# Altium PCB Main - Backup.PcbDoc (part 3 of 4) (continued)
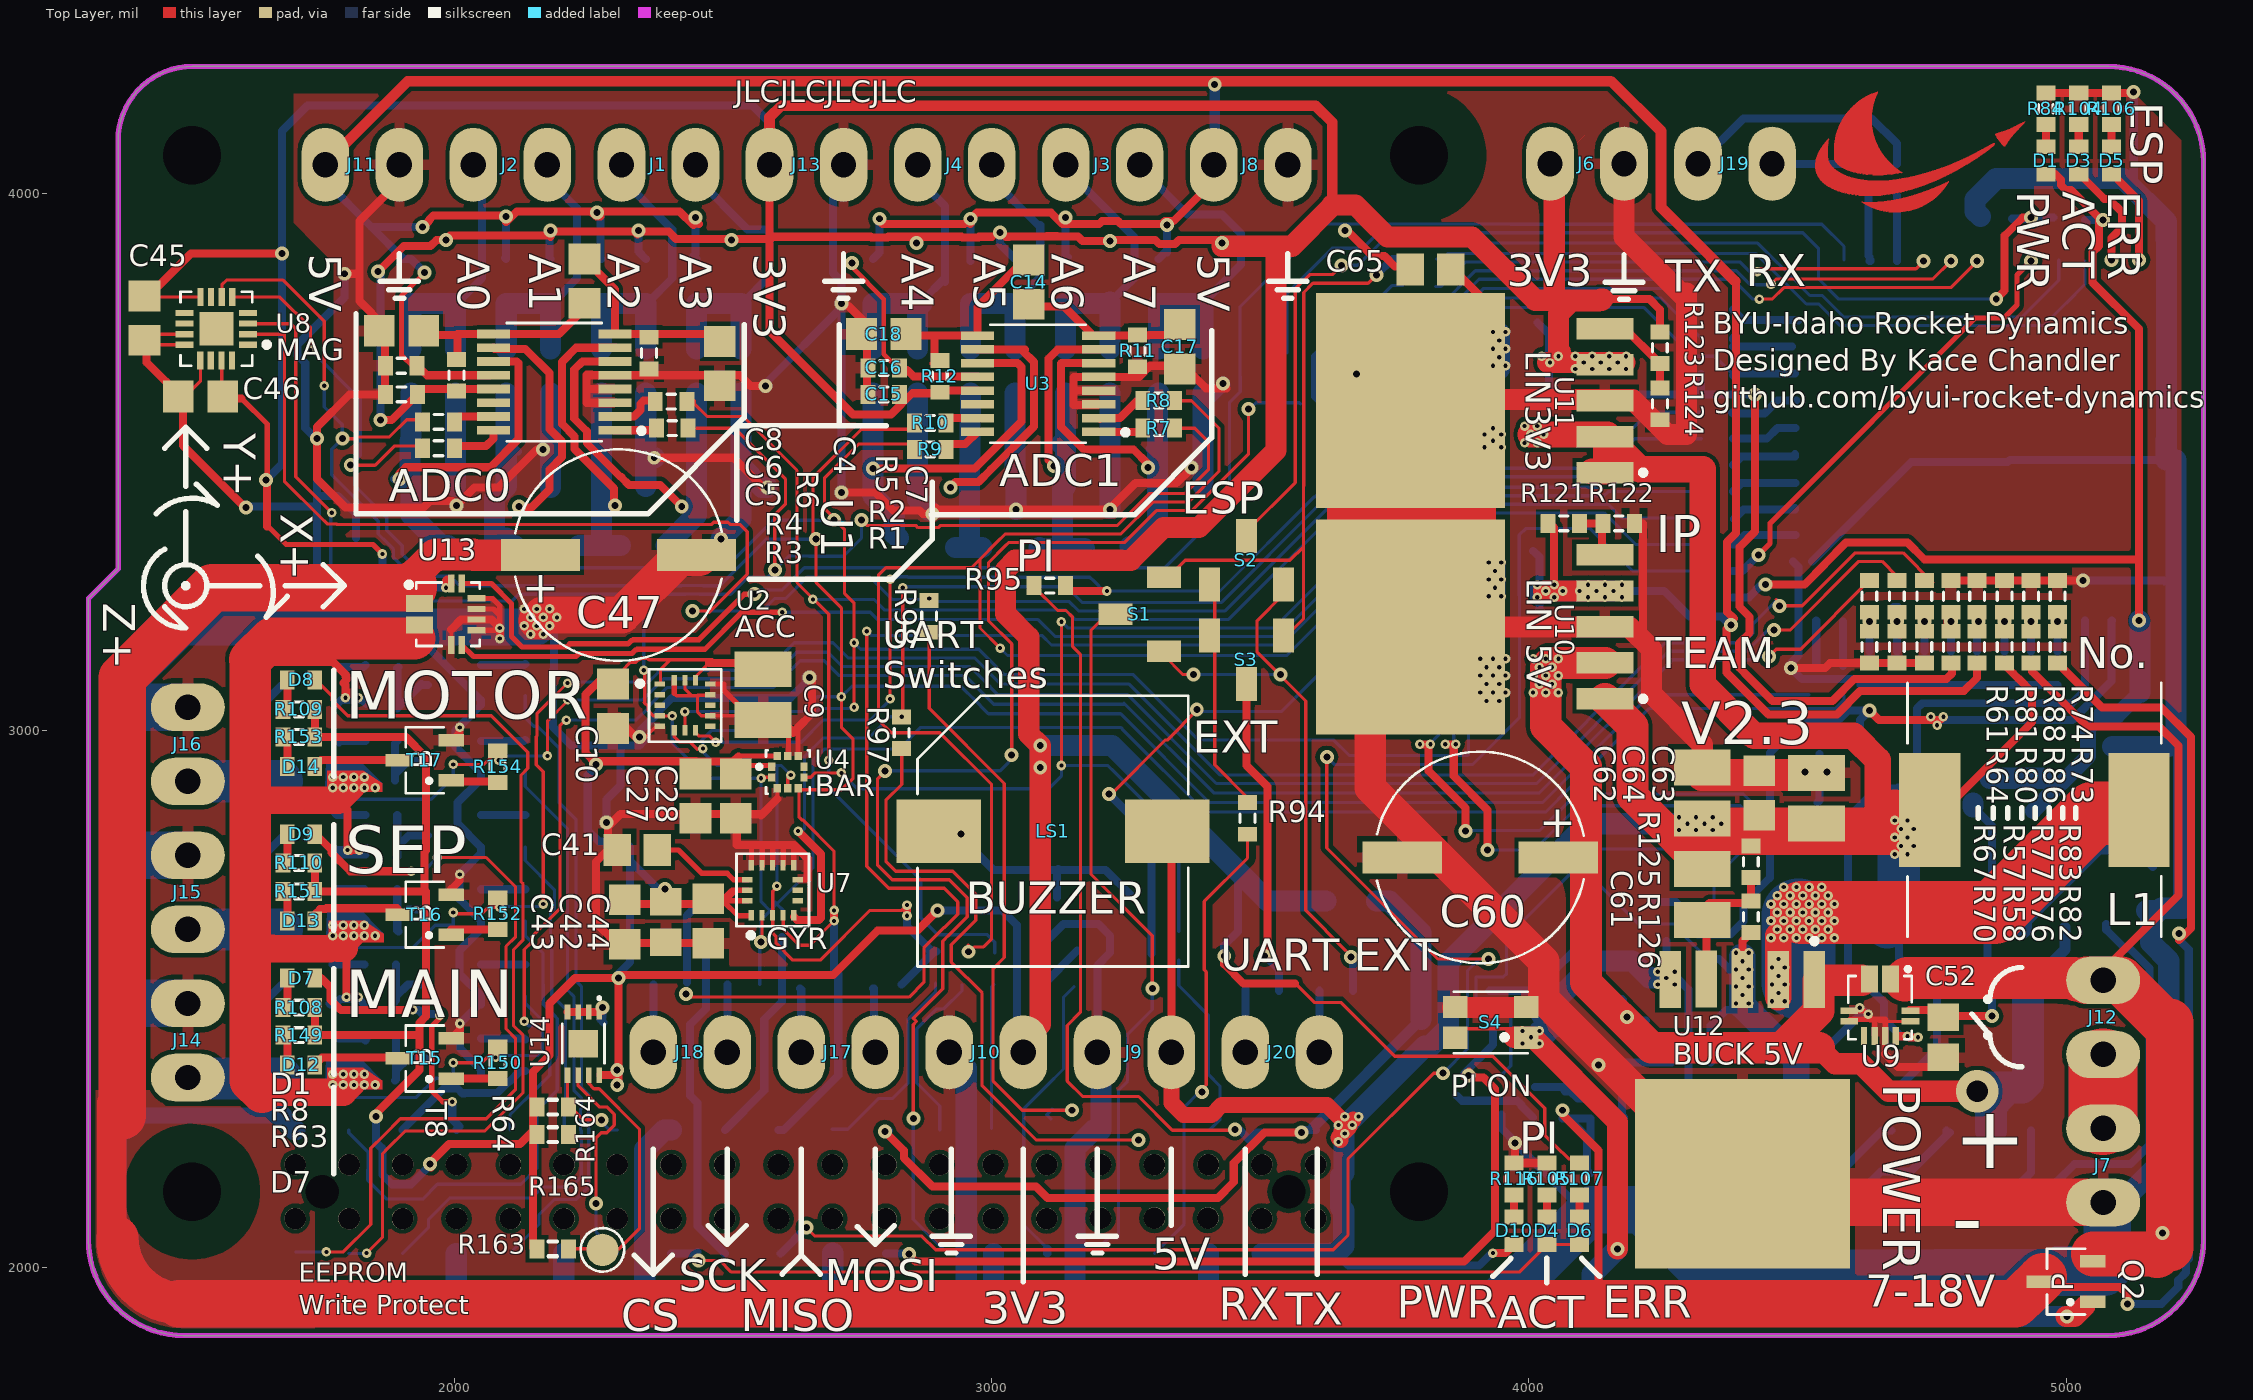
[diagram p0: Top Layer view]
## Nets (pads, with @x,y where several pads share a name; then routed paths per layer and width w, separated by ;. In a path a pad name is that pad's centre, name@x,y a point inside that pad or via, vN(x,y) a via of type N, cw(c..) or ccw(c..) an arc to the next point about the centre after c; other vN are vias at no path point) (continued)
  Top Layer w15: D9.2@1740.16,2809.06 1770.92,2778.3 1770.92,2773.38 1806.1,2738.19 v1(1919.29,2738.19)
  Bottom Layer w6: J5.40@1704.72,2029.53 v1(1761.81,2029.53) ; v1(1919.29,2738.19) 1942.91,2738.19 v1(1968.5,2763.78)
NetD10_2: D10.2 R116.2 | length 46.1
  Top Layer w15: D10.2@3970.47,2088.58 3972.44,2090.55 R116.2@3972.44,2133.86
NetD11_2: D11.2 L1.1 U12.2 | length 987.1
  Top Layer w49.21: U12.2@4464.57,2503.94 v1(4464.57,2511.81) 4464.57,2527.56 v1(4464.57,2543.31) v1(4464.57,2574.8) 4464.57,2614.17 4464.57,2618.11 v1@4507.87,2661.42
  Top Layer w118.11: v1@4507.87,2661.42 4866.14,2661.42 5051.18,2846.46 5102.69,2846.46 L1.1@5114.17,2857.94
  Bottom Layer w137.8: D11.2@4501.97,2531.5 4501.97,2590.55 4501.97,2645.67 4501.97,2655.51
  other v1: 4452.76,2496.06 4476.38,2496.06 4452.76,2527.56 4476.38,2527.56 4452.76,2559.06 4476.38,2559.06 4450.79,2614.17 4474.41,2614.17 4498.03,2614.17 4521.65,2614.17 4545.28,2614.17 4568.9,2614.17 4462.6,2629.92 4486.22,2629.92 4509.84,2629.92 4533.46,2629.92 4557.09,2629.92 4450.79,2645.67 4474.41,2645.67 4498.03,2645.67 4521.65,2645.67 4545.28,2645.67 4568.9,2645.67 4462.6,2661.42 4486.22,2661.42 4509.84,2661.42 4533.46,2661.42 4557.09,2661.42 4450.79,2677.17 4474.41,2677.17 4498.03,2677.17 4521.65,2677.17 4545.28,2677.17 4568.9,2677.17 4462.6,2692.91 4486.22,2692.91 4509.84,2692.91 4533.46,2692.91 4557.09,2692.91 4474.41,2708.66 4498.03,2708.66 4521.65,2708.66 4545.28,2708.66
NetD12_1: D12.1 R149.1 | length 58.4
  Top Layer w15: R149.1@1681.1,2433.07 1688.98,2425.2 D12.1@1688.98,2377.95
NetD12_2: D12.2 T15.3 | length 162
  Top Layer w15: D12.2@1740.16,2377.95 1753.94,2391.73 1893.7,2391.73 T15.3@1895.67,2389.76
NetD13_1: D13.1 R151.1 | length 58.4
  Top Layer w15: R151.1@1681.1,2700.79 1688.98,2692.91 D13.1@1688.98,2645.67
NetD13_2: D13.2 T16.3 | length 172.6
  Top Layer w15: D13.2@1740.16,2645.67 1740.16,2657.48 1750.25,2667.57 1760.36,2667.57 1762.08,2669.29 1893.31,2669.29 T16.3@1895.28,2667.32
NetD14_1: D14.1 R153.1 | length 58.4
  Top Layer w15: R153.1@1681.1,2988.19 1688.98,2980.32 D14.1@1688.98,2933.07
NetD14_2: D14.2 T17.3 | length 161.5
  Top Layer w15: D14.2@1740.16,2933.07 1751.97,2944.88 1893.96,2944.88 T17.3@1895.93,2942.91
NetJ1_1: J1.1 R38.2 R39.2 R40.2 R42.1 | length 542.8
  Bottom Layer w15: J1.1@2311.02,4027.56 2405.51,3933.07 2405.51,3842.13 R39.2@2358.66,3795.28
  Bottom Layer w39.37: R40.2@2273.62,3710.63 R38.2@2273.62,3795.28 R39.2@2356.3,3795.28 R42.1@2356.3,3710.63
NetJ1_2: J1.2 R48.2 R49.2 R50.2 R52.1 | length 587.7
  Bottom Layer w15: J1.2@2448.82,4027.56 2451.33,4027.56 2545.82,3933.07 2586.61,3933.07 2586.61,3846.06 R49.2@2535.83,3795.28
  Bottom Layer w39.37: R50.2@2450.79,3710.63 R48.2@2450.79,3795.28 R49.2@2533.46,3795.28 R52.1@2533.46,3710.63
NetJ2_1: J2.1 R18.2 R19.2 R20.2 R22.1 | length 510.3
  Bottom Layer w15: R19.2@2004.33,3795.28 2051.18,3842.13 2051.18,4011.81 J2.1@2035.43,4027.56
  Bottom Layer w39.37: R20.2@1919.29,3710.63 R18.2@1919.29,3795.28 1919.42,3795.15 2001.84,3795.15 R19.2@2001.97,3795.28 R22.1@2001.97,3710.63
NetJ2_2: J2.2 R28.2 R29.2 R30.2 R32.1 | length 526.5
  Bottom Layer w15: J2.2@2173.23,4027.56 2228.35,3972.44 2228.35,3842.13 R29.2@2181.5,3795.28
  Bottom Layer w39.37: R30.2@2096.46,3710.63 R28.2@2096.46,3795.28 R29.2@2179.13,3795.28 R32.1@2179.13,3710.63
NetJ3_1: J3.1 R33.2 R34.2 R35.2 R37.1 | length 564
  Bottom Layer w15: J3.1@3137.8,4027.56 3156.06,4027.56 3266,3917.62 3266,3844.74 3265.5,3844.24 3265.5,3842 3256.42,3832.92 ; R34.2@3220.47,3797.24 3254.18,3830.96
  Bottom Layer w39.37: R35.2@3137.8,3710.63 R33.2@3137.8,3795.28 R34.2@3220.47,3795.28 ; R37.1@3220.47,3710.63 R34.2@3220.47,3795.28 ; R34.2@3220.47,3797.24 R34.2@3220.47,3795.28
NetJ3_2: J3.2 R43.2 R44.2 R45.2 R47.1 | length 641.8
  Bottom Layer w15: J3.2@3275.59,4027.56 3291.34,4011.81 3312.99,4011.81 3361.96,3962.85 3364.17,3960.63 3429.13,3960.63 3464.32,3925.44 3464.32,3867.86 3452.76,3856.3 R44.2@3393.7,3795.28
  Bottom Layer w39.37: R45.2@3311.02,3710.63 R43.2@3311.02,3795.28 R44.2@3393.7,3795.28 R47.1@3393.7,3710.63
NetJ4_1: J4.1 R13.2 R14.2 R15.2 R17.1 | length 535.2
  Bottom Layer w15: J4.1@2862.2,4027.56 2913.39,3976.38 2913.39,3834.65 ; R14.2@2870.08,3799.21 2913.39,3842.52
  Bottom Layer w39.37: R15.2@2779.53,3710.63 R13.2@2779.53,3795.28 R14.2@2862.2,3795.28 ; R17.1@2862.2,3710.63 R14.2@2862.2,3795.28 ; R14.2@2870.08,3795.28 R14.2@2862.2,3795.28
NetJ4_2: J4.2 R23.2 R24.2 R25.2 R27.1 | length 548.2
  Bottom Layer w15: J4.2@3000,4027.56 3090.55,3937.01 ; R24.2@3035.43,3795.28 3041.61,3795.28 3090.55,3844.22 ; 3090.55,3840.28 3090.55,3940.94
  Bottom Layer w39.37: R25.2@2960.63,3710.63 R23.2@2960.63,3795.28 R24.2@3035.43,3795.28 ; R27.1@3043.31,3710.63 R24.2@3043.31,3795.28
NetJ5_3: J5.3 R95.1 | length 1391.4
  Top Layer w6: R95.1@3078.74,3267.72 3122.91,3223.55 3138.53,3223.55 3150.72,3211.37 3150.72,3156.37 3165.35,3141.73 3165.35,2475.77 3140.63,2451.05 3140.63,2347.55 3169.29,2318.9 3273.62,2318.9 3336.61,2255.91 3450.79,2255.91 v2(3452.76,2257.87) v2@3452.76,2259.84
  Bottom Layer w15: v2(3452.76,2257.87) 3460.47,2257.87 3480.15,2238.18 3493.94,2251.97 J5.3@3501.97,2251.97
NetJ5_5: J5.5 R96.1 | length 356.9
  Bottom Layer w6: R96.1@3348.43,2572.83 3348.43,2525.59 3403.54,2470.47 3403.54,2359.98 3425.2,2338.32 3425.2,2275.59 J5.5@3405.51,2255.91
NetJ5_7: J5.7 R97.1 | length 1145.6
  Top Layer w6: R97.1@2832.68,2964.57 2832.8,2964.45 2832.8,2899.73 2803.28,2870.2 2803.28,2756.61 2821.7,2738.19 2927.96,2738.19 2970.6,2695.55 2970.6,2646.73 2925.86,2601.98 2925.37,2601.98 2925.07,2601.68 2925.07,2569.02 2982.28,2511.81 2982.28,2338.58 3082.68,2238.19 v2(3273.62,2238.19)
NetJ5_8: J5.8 R94.2 | length 863.9
  Top Layer w6: v2@3385.83,2326.77 3399.37,2340.32 3399.37,2550.87 3395.67,2554.57 3395.67,2682.04 3476.38,2762.75 R94.2@3476.38,2807.09 R94.2@3478.35,2809.06
  Bottom Layer w6: J5.8@3303.54,2026.73 3358.27,2081.46 3358.27,2299.21 3386.05,2327 v2(3391.8,2327)
NetJ5_10: J5.10 S1.3 | length 1263.6
  Top Layer w6: S1.3@3200.79,3202.76 3185.04,3187.01 3185.04,2732.28 3299.21,2618.11 v2(3299.21,2519.68)
  Bottom Layer w6: J5.10@3204.72,2042.69 3218.19,2056.15 3236.22,2056.15 3236.22,2330.71 3253.09,2347.58 3253.09,2434.76 3299.21,2480.88 v2(3299.21,2519.68)
NetJ5_11: J5.11 R98.1 | length 1132.2
  Top Layer w6: R98.1@2883.86,3181.1 2883.86,3041.34 3023.62,2901.57 3023.62,2577.71 3002.84,2556.93 3002.84,2347.55 3057.09,2293.31 v2(3149.61,2293.31)
  Bottom Layer w6: J5.11@3109.92,2277.56 3102.36,2285.12 3112.52,2295.28 3114.49,2293.31 v2(3149.61,2293.31)
NetJ5_12: J5.12 R53.1 | length 553.6
  Bottom Layer w6: J5.12@3103.54,2036.22 3060.04,2079.72 3060.04,2296.26 3100.52,2336.74 3133.86,2370.08 3133.86,2503.94 R53.1@3153.54,2523.62
  Bottom Layer w15: J5.12@3103.54,2026.73 J5.12@3103.54,2036.22
NetJ5_13: J5.13 R99.1 | length 269.3
  Bottom Layer w6: J5.13@3000,2259.84 3000,2523.62 R99.1@3003.94,2527.56
NetJ5_15: J5.15 R100.1 | length 331.1
  Bottom Layer w6: J5.15@2903.54,2256.73 2903.54,2301.18 2860.73,2344 2860.73,2444.77 2897.98,2482.02 2911.15,2482.02 2944.88,2515.75 R100.1@2944.88,2527.56
NetJ5_16: J5.16 R56.2 | length 2489.7
  Top Layer w6: v2(2801.18,2925.19) 2801.18,2923.22 2787.4,2909.45 2787.4,2750.04 2815.13,2722.32 2921.39,2722.32 2954.72,2688.98 2954.72,2653.3 2919.28,2617.86 2918.8,2617.86 2909.2,2608.26 2909.2,2519.43 2854.33,2464.57 2860.24,2458.66 2854.32,2452.75 v2(2854.32,2277.55) ; v2(3037.4,2954.72) 3037.4,3144.07 3037.4,3161.3 2994.22,3204.48 2994.22,3312.32 3025.72,3343.82 3032.04,3350.14 3194.1,3350.14 3194.22,3350.02 3247.28,3350.02 3306.71,3409.44 3372.6,3409.44 3478.35,3515.19 v2(3478.35,3598.43)
  Bottom Layer w6: v2(2801.18,2925.19) 3015.74,2925.19 v2@3047.24,2956.69 ; v2(2854.32,2277.55) 2854.32,2090.44 2911.3,2033.46 J5.16@2911.42,2033.46 ; v2@3480.32,3602.36 3480.32,3598.43 3492.13,3610.24 3572.83,3610.24 R56.2@3574.8,3608.27
NetJ5_18: J5.18 R72.1 | length 1641.2
  Top Layer w15: v2@2845.47,2024.61 2858.52,2011.56 3879.67,2011.56 3937.01,2068.9 3937.01,2332.68 3915.35,2354.33 3899.61,2354.33 3891.73,2362.21 3888.93,2365.01 v2@3882.19,2358.26 ; v2@3879.92,2355.99 v2@3882.19,2358.26 ; v2(3887.79,2358.26) v2@3882.19,2358.26
  Bottom Layer w15: J5.18@2803.54,2026.73 2847.6,2026.73 v2(2846.46,2025.59) ; v2(3887.79,2358.26) 3883.86,2358.26 3879.92,2362.2 3933.07,2415.35 3933.07,2450.79 R72.1@3925.2,2458.66
NetJ5_19: J5.19 R101.1 | length 384
  Bottom Layer w6: J5.19@2702.76,2257.87 2732.28,2257.87 2789.37,2314.96 2814.96,2314.96 2844.49,2344.49 2844.49,2358.4 ; 2844.61,2358.53 2844.49,2358.4 ; R101.1@2895.67,2529.53 2895.67,2513.78 2844.49,2462.6 2844.49,2358.4
NetJ5_22: J5.22 R85.2 R87.2 | length 3486.1
  Top Layer w6: v2(2655.51,2074.8) 2671.26,2059.06 2870.08,2059.06 2895.67,2033.46 3635.83,2033.46 3663.39,2061.02 3663.39,2202.76 3822.83,2362.2 v2(3840.55,2362.2) ; v2(3624.02,2950.79) 3624.02,2781.5 3830.71,2574.8 v2(3925.2,2574.8)
  Bottom Layer w6: v2(3624.02,2950.79) 3637.8,2937.01 3879.01,2937.01 3879.13,2936.88 3895.54,2936.88 3982.41,3023.75 3982.41,3270.54 3982.28,3270.67 ; v2(3840.55,2362.2) 3885.7,2407.35 3885.7,2547.08 3885.83,2547.2 3885.83,2553.15 3907.48,2574.8 v2(3925.2,2574.8) ; 3982.28,3251.97 3982.28,3270.67 ; R87.2@4320.87,3297.24 4192.91,3297.24 4114.17,3375.98 3994.09,3375.98 3982.28,3364.17 3982.28,3270.67
  Bottom Layer w15: J5.22@2607.44,2026.73 v2(2655.51,2074.8) ; R85.2@4320.87,3250 R87.2@4320.87,3297.24
NetJ5_23: J5.23 R102.1 | length 403.6
  Bottom Layer w15: J5.23@2503.54,2256.73 2576.77,2329.96 2576.77,2462.6 2610.24,2496.06 R102.1@2610.24,2616.14
NetJ5_24: J5.24 R103.2 | length 636.3
  Bottom Layer w15: R103.2@2468.5,2624.02 2468.5,2482.28 2438.98,2452.76 2438.98,2320.87 2452.76,2307.09 2452.76,2077.52 J5.24@2503.54,2026.73
NetJ5_27: J5.27 R164.1 U14.5 | length 168.6
  Top Layer w6: U14.5@2210.63,2358.46 2210.63,2305.12 2240.16,2275.59 v2(2273.62,2275.59)
  Bottom Layer w6: v2(2273.62,2275.59) 2273.62,2271.66 2288.54,2256.73 J5.27@2303.54,2256.73
NetJ5_28: J5.28 R165.1 U14.6 | length 455.5
  Top Layer w6: R165.1@2214.57,2242.13 2263.78,2242.13 ; U14.6@2230.32,2360.24 U14.6@2230.32,2358.46 2230.32,2338.58 2269.31,2299.59 2283.55,2299.59 2297.62,2285.53 2297.62,2265.64 2283.56,2251.59 2273.24,2251.59 2263.78,2242.13 ; v2@2263.78,2118.11 2263.78,2242.13
  Bottom Layer w6: v2@2263.78,2118.11 2263.78,2066.5 J5.28@2303.54,2026.73
  other v2: 2263.78,2120.08
NetJ5_29: J5.29 R141.1 | length 564.8
  Bottom Layer w6: R141.1@2131.89,2783.46 2131.89,2758.14 2186.15,2703.88 2186.15,2668.55 2179.13,2661.54 2179.13,2593.58 2181.23,2591.49 2181.23,2507.75 2206.69,2482.28 2206.69,2301.97 2204.72,2300.01 2204.72,2257.91 J5.29@2203.54,2256.73
NetJ5_31: J5.31 R134.1 | length 298.8
  Bottom Layer w6: J5.31@2103.54,2256.73 2103.54,2284.65 2155.76,2336.86 2156.03,2336.86 2177.39,2358.22 2177.39,2446.55 2159.96,2463.98 2159.96,2464.05 2131.89,2492.13 R134.1@2131.89,2505.91
NetJ5_32: J5.32 R148.1 | length 1177.2
  Bottom Layer w6: J5.32@2103.54,2026.73 2157.48,2080.67 2157.48,2098.43 2186.37,2127.31 2226.77,2127.31 2250.22,2150.76 2250.22,2261.11 2248.62,2262.71 2248.62,2288.47 2250.22,2290.07 2250.22,2322.26 2236.44,2336.04 2236.44,2523.81 2226.5,2533.75 2226.5,2833.85 2194.88,2865.47 2194.88,2967.67 2192.57,2969.98 2192.49,2969.98 2166.83,2995.64 2166.83,2995.72 2154.55,3008 2147.51,3008 2131.89,3023.62 R148.1@2131.89,3064.96
NetJ5_35: J5.35 R131.1 | length 280.9
  Bottom Layer w15: J5.35@1903.54,2256.73 1903.54,2256.89 1980.07,2333.41 2006.15,2333.41 2014.76,2324.8 2018.92,2324.8 2019.37,2325.25 2079.85,2325.25 2101.05,2346.46 2102.36,2346.46 2122.05,2366.14 R131.1@2131.89,2366.14
NetJ5_36: J5.36 R145.1 | length 1199.2
  Bottom Layer w6: J5.36@1903.54,2026.73 1952.05,2075.24 1952.05,2090.55 1991.42,2129.92 2143.7,2129.92 2164.09,2150.31 2217.24,2150.31 2236.22,2169.29 2236.22,2255.32 2234.62,2256.91 2234.62,2294.27 2236.22,2295.87 2236.22,2316.46 2222.44,2330.24 2222.44,2505.28 2210.63,2517.09 2210.63,2817.2 2131.89,2895.94 R145.1@2131.89,2923.23
NetJ5_37: J5.37 R138.1 | length 964.8
  Bottom Layer w6: J5.37@1803.54,2256.73 1803.54,2251.57 1839.12,2216 1839.12,2180.56 ; 1838.58,2183.07 1838.58,2163.39 1874.02,2127.95 1940.94,2127.95 1968.5,2155.51 2124.02,2155.51 2153.54,2185.04 2153.54,2292.58 2191.39,2330.43 2191.39,2464.13 2186.69,2468.82 2165.35,2490.16 2165.35,2527.56 2165.11,2527.81 2165.11,2585.16 2131.89,2618.38 R138.1@2131.89,2645.67
NetJ7_1: J7.1 J12.2 | length 214.6
  Top Layer w127.95: J7.1@5068.9,2273.62 J12.2@5068.91,2381.89
  Bottom Layer w127.95: J7.1@5068.9,2275.59 J12.2@5068.9,2381.89
NetJ14_1: J14.1 Q4.3 R67.2 R129.2 R150.1 | length 4171.7
  Top Layer w6: v1(1998.03,2381.87) 2051.16,2381.87 R150.1@2080.71,2411.42 ; v1(2129.92,2458.66) 2129.92,2592.48 2143.7,2606.26 2143.7,2616.14 2196.85,2669.29 2196.85,3009.84 2207.68,3020.67 v1(2208.66,3019.68) ; v2(4446.85,3137.8) 4460.63,3151.57 4505.91,3151.57 R67.2@4633.86,3279.52
  Bottom Layer w6: 1596.46,2352.36 R129.2@1596.46,2393.7 ; 1678.74,2352.36 1688.58,2342.52 1722.44,2342.52 1747.78,2317.18 1929.38,2317.18 1965.06,2352.85 1988.68,2352.85 1998.03,2362.2 v1(1998.03,2381.87) ; v1(2076.77,2391.73) 2080.46,2395.42 2155.26,2395.42 2163.39,2403.54 2163.39,2440.75 2153.35,2450.79 2137.8,2450.79 v1(2129.92,2458.66) ; v1(2208.66,3019.68) 2208.79,3019.81 2338.78,3019.81 2359.64,3040.67 2359.64,3043.62 2396.48,3080.46 2594.24,3080.46 2643.83,3130.05 2688.85,3130.05 2716.54,3102.36 2950.79,3102.36 3003.94,3049.21 3248.28,3049.21 ; 3246.48,3051.06 3413.55,2883.98 4019.81,2883.98 4267.77,3131.94 4412.5,3131.94 4418.35,3137.78 v2(4446.85,3137.8)
  Bottom Layer w78.74: J14.1@1521.65,2352.36 1596.46,2352.36 1678.74,2352.36
NetJ15_1: J15.1 Q6.3 R57.2 R136.2 R152.1 | length 4106.3
  Top Layer w6: v1(1998.03,2661.4) 2000.49,2658.94 2050.67,2658.94 2062.99,2671.26 v1(2084.65,2671.26) ; v1(2165.35,2677.17) 2165.35,2923.23 2152.43,2936.15 2152.43,2989.04 2153.54,2990.16 2153.54,3031.5 v1(2210.63,3088.58) ; 4460.63,3244.09 4466.53,3238.2 v2(4466.53,3232.28) 4509.04,3232.28 4607.6,3330.83 4696.72,3330.83 4751.97,3275.59 4736.22,3275.59 R57.2@4736.22,3279.53
  Bottom Layer w6: 1596.46,2629.92 R136.2@1596.46,2671.26 ; 1688.98,2620.08 1712.72,2596.33 1923.11,2596.33 1964.57,2637.8 1998.03,2637.8 v1(1998.03,2661.4) ; v1(2084.65,2671.26) 2085.87,2672.49 2160.68,2672.49 v1(2165.35,2677.17) ; v1(2210.63,3088.58) 2210.63,3086.62 2214.57,3090.55 2361.67,3090.55 2379.06,3107.94 2379.06,3109.38 2381.89,3112.21 2581.09,3112.21 2632.27,3163.39 2704.72,3163.39 2732.91,3135.2 2809.06,3135.2 ; 2809.32,3135.2 2968.77,3135.2 3017.36,3086.61 3255.91,3086.61 3413.34,2929.09 3415.27,2927.17 ; 3413.39,2929.13 3425.07,2917.45 4008.38,2917.45 4108.64,3017.72 4108.64,3018.09 4254.24,3163.69 4399.35,3163.69 4417.45,3181.78 4417.45,3198.94 4462.6,3244.09 4466.53,3240.17 v2(4466.53,3232.28)
  Bottom Layer w78.74: J15.1@1523.62,2629.92 1596.46,2629.92 1679.13,2629.92
NetJ16_1: J16.1 Q8.3 R61.2 R143.2 R154.1 | length 3708.5
  Top Layer w6: v1(1998.03,2936.99) 2055.1,2936.99 R154.1@2080.71,2962.6 2080.71,2946.85 v1(2082.68,2944.88) ; v1(2173.22,2952.75) 2169.3,2952.75 2168.67,2953.38 2177.78,2953.38 2173.23,2957.93 2173.23,3017.72 2210.63,3055.12 v1(2210.63,3057.09) ; v2(4456.69,3187.01) 4486.22,3187.01 4614.17,3314.96 4657.48,3314.96 4685.04,3287.4 R61.2@4685.04,3279.52
  Bottom Layer w6: 1596.46,2905.51 R143.2@1596.46,2944.88 ; 1679.13,2905.51 1712.6,2872.05 1815.8,2872.05 1815.92,2872.17 1853.37,2872.17 1853.5,2872.05 1874.85,2872.05 1874.98,2872.17 1912.42,2872.17 1912.55,2872.05 1956.69,2872.05 1998.03,2913.39 v1(1998.03,2936.99) ; v1(2082.68,2944.88) 2090.3,2952.51 v1@2169.29,2952.51 ; v1(2210.63,3057.09) 2350.65,3057.09 2389.9,3096.33 2587.66,3096.33 2637.25,3145.92 2695.43,3145.92 2722.02,3119.33 2959.41,3119.33 2984.25,3094.49 3011.81,3066.93 3253.06,3066.93 3418.41,2901.57 4014.95,2901.57 4124.52,3011.14 4124.52,3011.52 4260.82,3147.82 4405.93,3147.82 4433.32,3175.21 4433.32,3175.45 4444.88,3187.01 v2(4456.69,3187.01)
  Bottom Layer w78.74: J16.1@1523.62,2905.51 1596.46,2905.51 1679.13,2905.51
NetJ17_1: J17.1 R155.2 | length 117.2
  Bottom Layer w15: R155.2@2779.28,2519.69 2781.5,2519.69 2781.5,2407.48 J17.1@2783.46,2405.51
NetJ17_2: J17.2 R156.2 | length 115
  Bottom Layer w15: R156.2@2643.7,2519.69 2645.67,2517.72 J17.2@2645.67,2405.51
NetJ18_1: J18.1 R157.2 | length 128.1
  Bottom Layer w15: J18.1@2507.87,2399.61 2508.27,2400 R157.2@2508.27,2527.56
NetJ18_2: J18.2 R158.2 | length 126.1
  Bottom Layer w15: J18.2@2370.08,2401.57 2370.47,2401.97 R158.2@2370.47,2527.56
NetJ19_1: J19.1 R159.2 | length 462.3
  Bottom Layer w15: J19.1@4314.96,4055.12 4399.36,4139.52 4638.04,4139.52 4685.04,4092.52 R159.2@4685.04,4054.72
NetJ19_2: J19.2 R160.2 | length 184.5
  Bottom Layer w15: J19.2@4448.82,4051.18 4452.36,4054.72 R160.2@4631.89,4054.72
NetJ20_1: J20.1 R161.2 | length 114.2
  Bottom Layer w15: J20.1@3610.24,2401.57 R161.2@3610.24,2515.75
NetJ20_2: J20.2 R162.2 | length 112.2
  Bottom Layer w15: J20.2@3472.44,2405.51 R162.2@3472.44,2517.72
NetLS1_1: LS1.1 T1.3 T2.3 | length 433
  Bottom Layer w15: v2@2937.01,2807.09 v2(2942.91,2807.09) v2@2950.59,2807.09 ; v2@2938.98,2805.12 3003.74,2740.35 3122.24,2740.35 ; T1.3@3122.05,2689.17 3122.05,2740.16 3122.24,2740.35 ; 3124.02,2742.13 3122.24,2740.35 ; 3125.98,2740.35 3122.24,2740.35 ; 3127.95,2740.16 3128.35,2740.55 3212.2,2740.55 T2.3@3259.84,2692.91
NetQ1_1: Q1.1 R89.2 | length 737.9
  Bottom Layer w15: R89.2@4940.94,2090.55 4982.28,2131.89 4982.28,2159.45 5015.75,2192.91 5120.08,2192.91 5155.51,2228.35 5155.51,2557.61 5118.28,2594.84 5109.28,2594.84 5074.8,2629.31 Q1.1@5074.8,2639.76
NetQ2_1: Q2.1 R115.2 | length 861.6
  Top Layer w39.37: v2@5000,1909.45 5015.75,1909.45 Q2.1@5035.43,1929.13
  Bottom Layer w39.37: R115.2@4202.76,1954.72 4248.03,1909.45 v2(5001.97,1909.45)
NetQ4_1: Q4.1 R128.2 | length 50.8
  Bottom Layer w15: Q4.1@1785.43,2427.17 1830.71,2427.17 R128.2@1834.65,2423.23
NetQ5_1: Q5.1 R132.2 | length 59.1
  Bottom Layer w15: Q5.1@1773.62,2564.96 1777.56,2564.96 R132.2@1832.68,2564.96
NetQ5_3: Q5.3 R129.1 | length 118
  Bottom Layer w15: R129.1@1592.52,2450.79 1601.97,2450.79 Q5.3@1678.74,2527.56
NetQ6_1: Q6.1 R135.2 | length 54.9
  Bottom Layer w15: Q6.1@1777.76,2704.72 R135.2@1832.68,2704.72
NetQ7_1: Q7.1 R139.2 | length 58.7
  Bottom Layer w15: Q7.1@1777.56,2846.46 1781.5,2842.52 R139.2@1834.65,2842.52
NetQ7_3: Q7.3 R136.1 | length 114.6
  Bottom Layer w15: R136.1@1598.43,2732.28 1610.04,2732.28 Q7.3@1682.87,2805.12
NetQ8_1: Q8.1 R142.2 | length 50.2
  Bottom Layer w15: Q8.1@1781.5,2980.32 Q8.1@1781.69,2980.32 ; Q8.1@1785.43,2978.35 1787.4,2980.32 R142.2@1834.65,2980.32
NetQ9_1: Q9.1 R146.2 | length 48.9
  Bottom Layer w15: Q9.1@1787.4,3118.11 1830.71,3118.11 R146.2@1834.65,3122.05
NetQ9_3: Q9.3 R143.1 | length 112.6
  Bottom Layer w15: R143.1@1596.46,3011.81 1606.1,3011.81 Q9.3@1678.94,3084.65
NetR1_2: R1.2 U1.1 | length 80.8
  Top Layer w15: U1.1@2298.82,3559.06 2374.02,3559.06 R1.2@2377.95,3562.99
NetR2_1: R2.1 R59.1 R99.2 | length 3374.5
  Top Layer w6: 2446.85,3614.17 2446.85,3608.27 2470.47,3584.65 2537.4,3584.65 2637.8,3484.25 2637.8,3275.59 2696.85,3216.54 v1(2696.85,2944.88)
  Bottom Layer w6: v1(2667.32,3244.09) 2781.5,3244.09 2801.31,3224.28 3137.8,3224.28 3155.14,3206.94 3441.2,3206.94 3621.67,3387.42 3761.94,3527.68 3761.94,3603.09 3868.11,3709.27 3868.11,3775.59 3883.86,3791.34 3915.35,3822.83 4285.43,3822.83 R59.1@4320.87,3787.4 ; v1(2696.85,2944.88) 2696.85,2893.7 2868.11,2722.44 2868.11,2678.58 2867.98,2678.45 2867.98,2651.7 2899.61,2620.08 2943.47,2620.08 2943.59,2620.2 2992,2620.2 3005.91,2606.3 R99.2@3005.91,2586.61
NetR2_2: R2.2 U1.2 | length 107.7
  Top Layer w15: U1.2@2289.37,3584.65 U1.2@2298.82,3584.65 2334.65,3584.65 2346.46,3596.46 2346.46,3608.27 2352.36,3614.17 R2.2@2377.95,3614.17
NetR3_2: R3.2 U1.16 | length 94.3
  Top Layer w15: R3.2@2000,3529.53 2059.06,3529.53 2072.83,3543.31 U1.16@2072.83,3559.06
NetR4_2: R4.2 U1.15 | length 71.3
  Top Layer w15: R4.2@2003.94,3578.74 2009.84,3584.65 U1.15@2072.83,3584.65
NetR7_2: R7.2 U3.1 | length 84.7
  Top Layer w15: U3.1@3199.61,3556.1 3274.61,3556.1 R7.2@3281.5,3562.99
NetR8_1: R8.1 R78.2 R100.2 | length 3425.4
  Top Layer w6: v2@2956.69,2600.39 2956.93,2600.15 v2(2956.93,2588.34) ; 2967.46,2597.38 2985.17,2597.38 3000,2612.2 3000,2899.61 2903.54,2996.06 2812.99,2996.06 2789.37,3019.68 2789.37,3289.25 2803.27,3303.15 2962.6,3303.15 2978.35,3318.9 ; v1(3015.75,3153.54) 2978.35,3190.94 2978.35,3318.9 ; R8.1@3340.55,3614.17 3342.79,3614.17 3372.05,3614.17 3423.23,3562.99 3423.23,3482.52 3366.02,3425.32 3300.13,3425.32 3240.7,3365.89 3200.8,3365.89 3200.67,3366.02 3025.46,3366.02 3009.84,3350.39 2978.35,3318.9
  Bottom Layer w6: v1(3015.75,3153.54) 3029.53,3139.76 3549.21,3139.76 3881.76,3472.32 4125.86,3472.32 4196.85,3543.31 R78.2@4320.87,3543.31
NetR8_2: R8.2 U3.2 | length 98.2
  Top Layer w15: U3.2@3201.63,3579.67 U3.2@3199.61,3581.69 3239.17,3581.69 3271.65,3614.17 R8.2@3281.5,3614.17
NetR9_2: R9.2 U3.16 | length 65.7
  Top Layer w15: R9.2@2917.32,3533.46 2919.29,3533.46 2950.98,3533.46 U3.16@2973.62,3556.1
NetR10_2: R10.2 U3.15 | length 46.4
  Top Layer w15: R10.2@2927.22,3581.69 U3.15@2973.62,3581.69
NetR53_2: R53.2 T1.1 | length 99.5
  Bottom Layer w15: R53.2@3094.49,2517.72 3094.49,2525.39 T1.1@3159.45,2590.35
NetR54_1: R54.1 U6.19 | length 126.7
  Bottom Layer w15: R54.1@4379.92,3494.09 4395.92,3510.09 4495.67,3510.09 U6.19@4495.67,3514.37
NetR54_2: R54.2 T2.1 | length 1716.8
  Top Layer w6: v2(3218.5,2881.89) 3222.44,2881.89 3322.83,2982.28 3326.77,2982.28 v2@3384.84,3040.35
  Bottom Layer w6: v2@3389.76,3035.43 3539.37,3035.43 3816.8,3312.87 3816.8,3370.75 3898.94,3452.88 4128.87,3452.88 4164.18,3488.19 R54.2@4314.96,3488.19
  Bottom Layer w15: v2(3218.5,2881.89) 3297.24,2803.15 T2.1@3297.24,2584.65 ; R54.2@4314.96,3488.19 R54.2@4320.87,3494.09
  other v2: 3381.89,3039.37
NetR56_1: R56.1 T3.1 | length 171.4
  Bottom Layer w15: R56.1@3631.89,3608.27 3616.14,3608.27 3602.36,3622.05 3602.36,3696.65 T3.1@3645.87,3740.16
NetR59_2: R59.2 U6.24 | length 130.2
  Bottom Layer w15: R59.2@4379.92,3783.46 4399.02,3764.37 4501.38,3764.37 U6.24@4501.97,3763.78
NetR60_1: R60.1 R95.2 U2.8 | length 2061.8
  Top Layer w6: U2.8@2448.82,2999.02 2448.82,2996.06 2454.72,2990.16 2474.41,2990.16 v1(2486.22,2978.35) ; v1@2811.02,3057.94 v1(2811.02,3059.05) v1(2811.02,3281.5)
  Top Layer w15: R95.2@3139.76,3267.72 3147.64,3259.84 v1(3214.57,3259.84)
  Bottom Layer w6: v1(2486.22,2978.35) 2505.67,2978.35 2505.79,2978.23 2645.55,2978.23 2687.01,3019.68 2773.62,3019.68 2811.02,3057.08 v1(2811.02,3059.05) ; v1@2811.02,3283.46 2816,3278.48 2822.95,3285.43 2824.92,3285.43 2826.03,3286.54 2843.25,3286.54 2844.36,3285.43 3183.07,3285.43 3190.76,3277.74 3208.66,3259.84 v1(3214.57,3259.84) 3425.2,3259.84 3600.39,3435.04 3601.94,3435.04 3712.47,3545.57 3712.47,3795.15 3746.06,3828.74 R60.1@3765.75,3828.74
NetR60_2: R60.2 U6.29 | length 942.5
  Top Layer w6: v1(4425.2,3854.33) 4430.61,3859.75 4720.77,3859.75 v2@4735.04,3874.02
  Bottom Layer w6: R60.2@3826.77,3826.77 3836.61,3826.77 3881.89,3872.05 4393.7,3872.05 4411.42,3854.33 v1(4425.2,3854.33)
  other v2: 4734.25,3874.02
NetR62_2: R62.2 U6.14 | length 80.9
  Bottom Layer w15: U6.14@4535.04,3204.72 4535.04,3124.41 R62.2@4535.43,3124.02
NetR63_2: R63.2 U6.16 | length 123.5
  Bottom Layer w15: R63.2@4379.92,3346.46 4384.12,3346.46 4401.84,3364.17 U6.16@4496.06,3364.17
NetR65_2: R65.2 U6.13 | length 82.7
  Bottom Layer w15: R65.2@4584.65,3120.08 U6.13@4584.65,3202.76
NetR66_1: R66.1 R96.2 U4.6 | length 2847.4
  Top Layer w6: U4.6@2651.57,2913.26 2663.26,2913.26 2671.25,2921.25 v1(2720.47,2921.26) ; v1(3129.92,2935.04) v1@3129.92,3200.79
  Bottom Layer w6: v1(2720.47,2921.26) 2750,2891.73 3106.3,2891.73 3129.92,2915.35 v1(3129.92,2935.04) 3216.54,2935.04 3229.05,2922.52 3348.43,2803.15 R96.2@3348.43,2625.98 ; v1(3129.92,3202.76) 3141.61,3191.07 3525.72,3191.07 3874.14,3539.5 3874.14,3692.85 3883.98,3702.69 3883.98,3765.87 3899.73,3781.62 3923.23,3805.12 4246.06,3805.12 R66.1@4320.87,3730.31